# KiCad board mtt_final.kicad_pcb (continued)
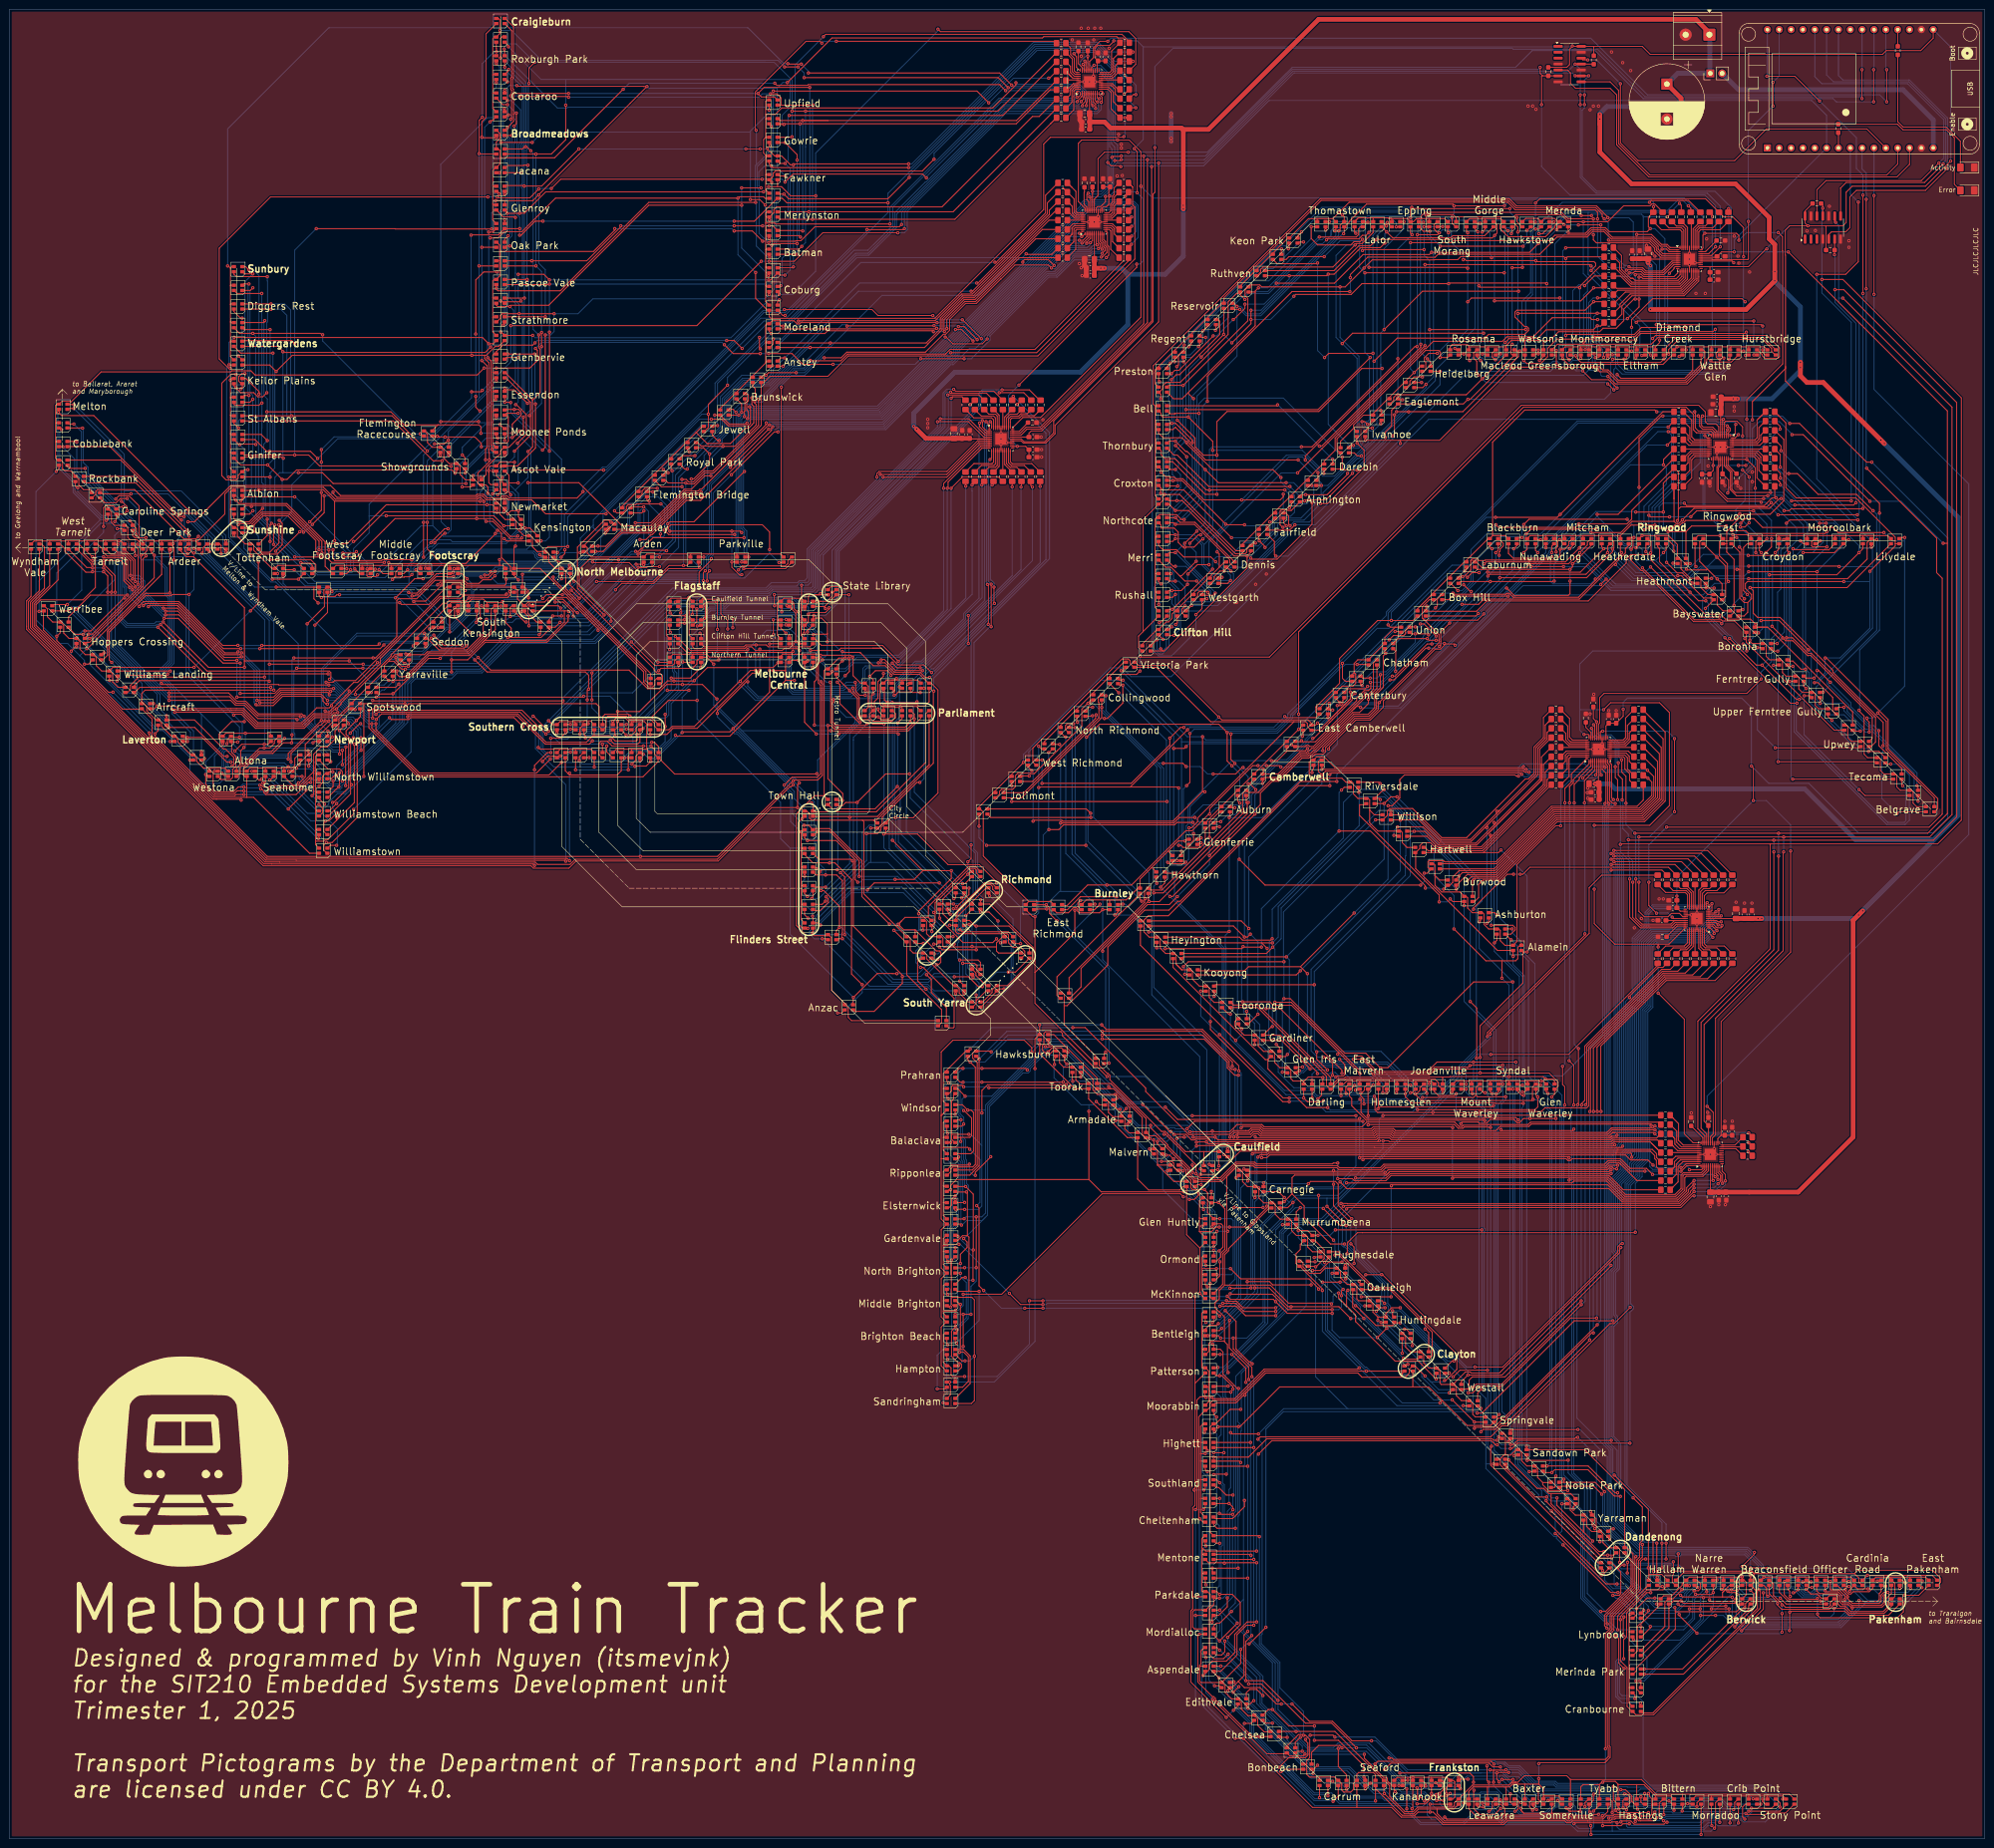
[diagram p0: board, top side]
## Routing (per net, layer and track width the routed paths; a pad name or vN(x,y) marks a point on that pad's centre or on a via; arc(x,y) is an arc through that point) (continued)
  Bottom w0.2: v1(279.51,13.98) 279.51,14.41 270.09,23.84 270.09,24.69 260.26,34.52 v1(259.33,34.52) ; v1(259.7,107.4) 265.31,107.4 268.81,110.9 268.81,131.58 272.81,135.58 273.44,135.58 274.4,136.54 ; v1(347.3,3.2) 347.4,3.2 347.8,2.8 355.3,2.8 355.3,2.8 362.35,2.8 363.37,3.82 366.38,3.82 v1(366.7,3.5) ; v1(273.36,137.54) 274.36,136.54 274.4,136.54 ; v1(280.46,15.76) 280.78,15.43 287.37,15.43 292.53,10.27 295.05,10.27 296.27,9.04 302.66,9.04 v1(302.7,9) 303.35,9 304,8.35 304,5.1 304.9,4.2 307.4,4.2 307.8,4.6 ; v1(341.55,4.95) 341.6,4.9 v1(341.6,2.8) ; v1(266.4,99.1) 266.8,98.7 v1(266.8,83.9) v1(266.8,59.9) v1(266.8,45.8) ; v1(343.4,142.68) 343.58,142.68 344,143.1 344,143.73 ; 344,143.73 343.63,144.1 343.61,144.1 ; 344,143.73 343.61,144.12 343.61,151.26 344.06,151.72 344.06,208.34 343.4,209 v1(343.4,209) ; v1(284.2,125.2) 284.2,128.1 v1(283.9,128.4) ; 274.4,136.54 275.86,138 v1(280.7,138) 284.88,138 v1(288.63,141.75)
Net-(D438-BK): length 483.7
  Top w0.2: v1(263,141.8) 263.5,142.3 ; D504.2 256.4,110.88 v1(256.53,110.75) ; D480.2 274.55,17.75 277.38,17.75 v1(277.78,18.15) ; v1(283.6,113.5) 274.1,113.5 270.8,116.8 261.7,116.8 ; v1(285.95,117.85) 285.6,117.5 v1(285.6,116.5) ; D498.2 256.4,87.4 v1(256.2,87.2) ; v1(320,5.23) 319.38,4.6 314.7,4.6 312.9,6.4 D468.2 ; v1(257.97,29.86) 269.63,18.2 273.7,18.2 ; v1(262.9,147.87) 262.93,147.9 269.15,147.9 269.55,148.3 292.7,148.3 292.72,148.28 345.59,148.28 v1(345.87,148.55) ; v1(297.11,10.1) 296.9,10.3 D474.2 296.43,11.4 295.45,12.38 295.45,12.92 295.22,13.15 294.62,13.15 290.5,17.27 v1(290.5,18.1) ; v1(256.53,38.87) 256.4,39 D486.2 ; D438.2 298.6,105.33 298.65,105.28 v1(298.65,104.15) ; v1(256.53,62.83) 256.4,62.96 D492.2 ; v1(343.99,212) 343.99,212 364.1,212 R133.2 ; 336.8,7.5 v1(336.8,5.89) 334.76,5.89 334.76,5.89 334.5,5.89 334.39,6 334.37,6 334.02,6.35 334.02,6.37 v1(333.79,6.6) ; 360.79,7.51 v1(359.8,7.51) ; v1(311.83,7.6) 312.7,7.6 ; v1(283.6,121.3) D444.2
  Bottom w0.2: v1(297.11,10.1) 297.6,9.6 303.32,9.6 305.2,7.72 305.2,7.1 305.8,6.5 310.8,6.5 311.83,7.53 v1(311.83,7.6) ; v1(256.2,87.2) 255.9,87.5 255.9,87.7 ; v1(345.87,148.55) 345.87,148.55 346.07,148.75 346.07,210.29 344.35,212 v1(343.99,212) ; 255.9,87.7 255.9,110.11 v1(256.53,110.75) 257.1,110.75 261.73,115.37 v1(261.73,116.9) 263.2,118.37 263.2,141.6 263,141.8 v1(263,141.8) 262.9,141.9 v1(262.9,147.87) ; 255.9,87.7 255.9,86.15 255.8,86.05 255.8,78.62 256.78,77.64 256.78,63.07 v1(256.53,62.83) 255.54,61.83 255.54,44.3 255.74,44.1 255.74,43.61 255.4,43.27 255.4,40 v1(256.53,38.87) 256.53,31.3 v1(257.97,29.86) ; v1(359.8,7.51) 350.82,7.51 350.58,7.75 348.81,7.75 348.32,8.25 347.48,8.25 346.99,7.75 337.79,7.75 336.8,6.76 v1(336.8,5.89) ; v1(333.79,6.6) 333.79,6.61 333.6,6.8 331.58,6.8 329.48,4.7 320.54,4.7 v1(320,5.23) ; v1(283.6,113.5) 285,113.5 285.6,114.1 v1(285.6,116.5) ; v1(290.5,18.1) 278.5,18.1 278.45,18.15 v1(277.78,18.15) ; v1(298.65,104.15) 298.57,104.23 298.29,104.23 291.01,111.5 291.01,111.86 289.69,113.19 289.69,114.11 v1(285.95,117.85) 283.4,120.39 283.4,121.1 v1(283.6,121.3)
Net-(D438-GK): length 501.9
  Top w0.2: v1(265.7,33.2) 268.42,33.2 271.96,29.66 v1(271.99,29.66) ; 313.95,8.5 313.95,6.45 315.2,5.2 318.45,5.2 v1(319.73,6.48) ; 313.95,8.5 D468.4 ; 313.95,8.5 313.95,10.33 v1(314.02,10.4) ; v1(268,64.8) 267.8,65 D492.4 ; D504.4 258.61,113 v1(259.48,112.13) ; D474.4 299.75,12.5 v1(299.8,12.55) ; v1(313.9,12.1) 313.9,13.3 313.1,14.1 v1(298.1,14.1) ; 286.42,122.42 v1(286.42,123.02) ; v1(264.69,143.66) 264.95,143.4 D450.4 ; v1(276.78,21.74) 275.7,20.65 D480.4 ; v1(260.68,113.29) 263,110.98 263,107.65 263,107.15 263,107.15 263,105.07 265.77,102.3 266.05,102.3 v1(266.46,101.88) ; 362.59,8.5 361.82,7.73 361.82,6.93 v1(361.8,6.91) ; 344.78,144.48 344.8,144.46 v1(344.8,144.46) 344.78,144.48 342.99,144.48 342.39,143.88 295.02,143.88 294.29,143.15 265.65,143.15 ; v1(283.9,140.4) 283.9,135.8 287.23,132.47 v1(287.23,132.43) ; D486.4 258.92,41 v1(259.48,40.44) ; v1(343.4,211.33) 343.47,211.4 362.7,211.4 R132.2 ; D498.4 258.65,89 261.75,92.1 v1(264,92.1) ; 338.59,8.5 337.82,7.73 337.82,6.94 337.8,6.92 v1(337.8,6.91) ; v1(288.3,123.4) 288.3,126.94 v1(287.62,127.62) ; D438.4 299.48,109.32 v1(299.12,109.32) ; 258.22,65 257.45,65.77 257.45,88.36 258.09,89
  Bottom w0.2: v1(288.3,123.4) 288.24,123.34 286.74,123.34 v1(286.42,123.02) 286.42,121.52 298.62,109.32 v1(299.12,109.32) ; v1(264,92.1) 264.13,92.23 264.13,99.83 266.18,101.88 v1(266.46,101.88) ; v1(264.69,143.66) 263.6,142.57 263.6,116.25 v1(259.48,112.13) ; v1(343.4,211.33) 343.47,211.4 344.38,211.4 345.66,210.12 345.66,149.2 345.21,148.74 345.21,148.46 344.41,147.66 344.41,144.89 344.8,144.5 v1(344.8,144.46) ; v1(313.9,12.1) 313.92,12.08 313.92,10.5 v1(314.02,10.4) ; v1(287.23,132.43) 287.27,132.43 287.6,132.1 287.6,127.64 v1(287.62,127.62) ; v1(283.9,140.4) v1(283.9,143.35) ; v1(259.48,40.44) 259.56,40.44 265.7,34.3 v1(265.7,33.2) ; v1(361.8,6.91) 359.01,6.91 358.81,7.11 350.65,7.11 350.41,7.35 348.64,7.35 348.15,7.84 347.65,7.84 347.16,7.35 338.24,7.35 v1(337.8,6.91) 337.4,6.51 337.4,5.54 337.1,5.24 336.1,5.24 335.74,5.6 335.73,5.6 335.73,6.91 335.04,7.6 331.24,7.6 329.16,5.51 324.04,5.51 323.08,6.48 319.73,6.48 v1(319.73,6.48) ; v1(268,64.8) 268,41.66 272,37.66 272,27.7 276.78,22.92 v1(276.78,21.74) 276.78,21.4 278.63,19.55 283.9,19.55 284.85,20.5 291.51,20.5 299.46,12.55 v1(299.8,12.55)
Net-(D438-RK): length 509.2
  Top w0.2: D462.1 338.7,5.85 v1(338.89,5.66) ; D480.1 276.05,18.75 v1(277.22,18.75) ; D492.1 258.72,63.38 v1(259.48,63.38) ; D498.1 258.2,87.5 v1(258.4,87.3) ; 300.71,107.3 300.79,107.23 v1(300.79,105.79) ; v1(260.6,42.4) 260.6,40.1 259.91,39.42 258.68,39.42 D486.1 ; v1(265.52,141.1) 265.4,141.22 D450.1 265.85,142.75 294.74,142.75 294.94,142.95 v1(294.94,142.95) 295.07,142.95 295.6,143.48 342.55,143.48 343.15,144.08 343.65,144.08 344.04,143.69 v1(344.6,143.69) ; v1(339.05,2.8) 339.1,2.74 v1(339.1,0.9) ; v1(286.5,120.09) 286.4,120.19 D444.1 ; 338.77,7.4 339.6,8.23 339.6,9.46 v1(339.69,9.55) ; v1(297.9,11.4) D474.1 ; v1(316.02,6.83) 315.96,6.78 314.9,6.78 314.7,6.97 D468.1 ; D504.1 258.2,110.99 v1(257.95,110.75) ; v1(294.83,14.83) 296.2,16.2 317.25,16.2 318.05,15.4 319.68,15.4 v1(319.68,15.4) ; D456.1 v1(362.7,0.9) ; R131.2 361.3,210.8 v1(344,210.8)
  Bottom w0.2: 338.89,3.8 338.89,3.8 335.08,3.8 335.07,3.8 320.5,3.8 320.5,3.8 320.41,3.8 318.21,6 318.21,6.28 317.61,6.89 316.08,6.89 v1(316.02,6.83) ; 338.89,3.8 v1(338.89,5.66) ; 338.89,3.8 338.89,2.95 v1(339.05,2.8) ; v1(297.9,11.4) 297.9,12.04 295.11,14.83 v1(294.83,14.83) 290.92,18.75 v1(277.22,18.75) 277.22,19.83 268.16,28.89 268.16,34.86 259.94,43.08 259.94,47.74 258.86,48.82 258.86,53.64 259.42,54.21 259.42,63.32 v1(259.48,63.38) 259.42,63.44 259.42,67.13 258.82,67.74 258.82,73.3 258.84,73.32 258.84,86.86 v1(258.4,87.3) 258.22,87.49 258.22,90.7 258.45,90.94 258.45,94.9 256.3,97.05 256.3,109.09 v1(257.95,110.75) 258.56,111.35 259.59,111.35 264,115.76 264,139.57 v1(265.52,141.1) ; v1(344.6,143.69) 344.6,143.69 344.01,144.29 344.01,147.83 344.81,148.63 344.81,148.91 345.26,149.36 345.26,209.95 344.42,210.8 v1(344,210.8) ; v1(300.79,105.79) 300.79,106.3 286.99,120.09 v1(286.5,120.09) 284.94,121.65 284.94,132.24 294.94,142.24 v1(294.94,142.95) ; v1(362.7,0.9) v1(339.1,0.9) ; v1(339.69,9.55) 339.6,9.65 327.2,9.65 323.55,13.3 321.5,13.3 319.68,15.12 v1(319.68,15.4)
Net-(D505-BK): length 311.3
  Top w0.2: v1(219.2,168.7) 219.2,169.7 217.6,171.3 202.3,171.3 199.79,168.79 199.79,155.14 199.97,155.33 ; 200.86,121.35 199.79,122.43 199.79,130.64 D559.2 ; v1(261.7,118.1) 266.14,118.1 v1(266.2,118.16) ; 256.32,115.9 v1(255.23,116.99) 255.23,126.73 ; 200.86,100.35 199.78,101.43 199.78,109.77 200.86,110.85 199.79,111.93 199.79,120.14 D553.2 ; D511.2 255.23,126.73 ; 255.23,126.73 252.4,129.55 D517.2 251.64,139.9 250.9,139.16 244.24,139.16 241.9,141.5 D523.2 239.7,150.4 231.4,158.7 D529.2 228.4,160.9 220.9,168.4 v1(220.9,170.4) D535.2 ; 199.78,145.9 199.83,145.85 D565.2 ; 199.78,145.9 199.78,155.13 199.97,155.33 ; 199.78,145.9 199.78,132.93 200.86,131.85 ; 199.97,155.33 D571.2 ; v1(266.5,146.9) 266.5,147.1 266.5,147.1 269.48,147.1 269.86,147.47 344.69,147.47 344.69,147.47 351.83,147.47 352.77,146.53 352.77,145.87 353.12,145.52 353.12,144.15 R137.2
  Bottom w0.2: v1(261.7,118.1) 261.4,117.8 256.04,117.8 v1(255.23,116.99) ; v1(266.5,146.9) 266.2,146.6 v1(266.2,118.16) ; v1(220.9,170.4) v1(219.2,168.7)
Net-(D505-GK): length 301
  Top w0.2: v1(206.17,112.5) v1(204.5,112.5) v1(204.5,105.6) ; 263.27,144.33 259.95,141 D517.4 ; 263.27,144.33 261,142.05 261,130.5 v1(261.2,130.3) 261,130.1 261,126.31 260.12,125.43 260.12,118.92 D505.4 ; 263.27,144.33 266.67,144.33 267.05,143.95 284.6,143.95 285,143.55 294.12,143.55 294.85,144.28 342.22,144.28 343,145.06 345.05,145.06 345.4,144.71 345.4,144.7 345.45,144.7 348.95,141.2 R136.2 ; D535.4 223.92,172.5 226.71,169.71 ; D523.4 243.7,154.49 236.19,162 D529.4 233.2,163.22 226.71,169.71 ; D541.4 203.49,101.45 v1(203.54,101.5) ; 254.17,141 252.65,142.52 252.65,143.72 247.93,148.43 247.93,148.63 245.77,150.8 244.5,150.8 243.8,151.5 ; v1(204.7,133) 204.65,132.95 D559.4 ; D571.4 204.32,157.45 v1(205.48,156.29) 206.21,156.29 206.71,155.79 206.71,147.51 206.15,146.95 D565.4 ; v1(258.9,130.3) 258.8,130.3 258.2,129.7 D511.4 ; 226.71,169.71 226.37,170.05 223.38,170.05 223.13,169.8 222.27,169.8 v1(222.13,169.93) ; v1(204.8,122.5) 204.75,122.45 D553.4 ; v1(207.3,133.4) v1(207.3,122.5) ; D547.4 v1(202.8,112.5)
  Bottom w0.2: v1(202.8,112.5) v1(204.5,112.5) ; v1(204.8,122.5) v1(207.3,122.5) 207.3,119.6 206.17,118.47 v1(206.17,112.5) ; 209.3,156.2 209.3,157.39 221.68,169.76 221.97,169.76 v1(222.13,169.93) ; 209.3,156.2 209.21,156.29 v1(205.48,156.29) ; 209.3,156.2 209.3,134.2 208.5,133.4 v1(207.3,133.4) 205.1,133.4 v1(204.7,133) ; v1(258.9,130.3) v1(261.2,130.3) ; v1(204.5,105.6) 204.3,105.4 204.3,102.35 203.54,101.59 v1(203.54,101.5)
Net-(D505-RK): length 309.2
  Top w0.2: v1(235.7,161.33) 236.09,160.94 236.09,160.9 ; D565.1 203.4,145.85 203.53,145.99 v1(203.53,146.24) ; D547.1 202.8,109.97 v1(202.84,109.93) 202.9,109.87 202.9,109.79 202,108.89 202,108.6 ; v1(255.5,140.3) 254.6,140.3 D517.1 ; 202,108.6 202,103.48 203.38,102.1 203.79,102.1 204.14,101.75 204.14,101.09 203.4,100.35 D541.1 ; 202,108.6 202,108.85 ; D571.1 202.8,155.44 v1(202.76,155.4) ; D505.1 257.75,115.9 257.45,116.2 257.45,119.09 v1(257.46,119.1) ; v1(203.9,123.4) 203.9,125.37 205.34,126.81 205.34,128.01 v1(204.6,128.75) ; D559.1 203.92,131.85 v1(204.14,131.64) ; D553.1 203.85,121.35 v1(203.9,121.3) ; 243.6,150.4 242.89,151.12 242.89,154.74 236.73,160.9 236.09,160.9 ; v1(284.8,144.95) 283.85,144.95 283.65,144.75 267.38,144.75 267.01,145.13 262.94,145.13 259.62,141.8 255.25,141.8 v1(254.42,142.63) 254.42,144.56 247.86,151.12 v1(247.58,151.12) ; D523.1 244.32,150.4 v1(244.51,150.2) ; R135.2 346.03,139.2 342.95,142.28 296.25,142.28 295.12,141.15 288.38,141.15 287.93,141.6 v1(284.8,141.6) ; v1(258.2,127.03) D511.1 ; 236.09,160.9 D529.1 ; D535.1 222.7,170.59 v1(222.88,170.4)
  Bottom w0.2: 209.3,133.31 209.7,133.72 209.7,157.22 221.81,169.32 222.38,169.32 222.88,169.83 v1(222.88,170.4) 226.63,170.4 v1(235.7,161.33) ; 209.3,133.31 208.58,132.6 205.2,132.6 204.24,131.64 v1(204.14,131.64) 204.02,131.75 204.02,145.12 203.53,145.61 v1(203.53,146.24) 203.37,146.4 203.37,154.79 v1(202.76,155.4) ; 209.3,133.31 204.73,128.75 v1(204.6,128.75) ; v1(284.8,141.6) v1(284.8,144.95) ; v1(257.46,119.1) 257.46,124.5 258.78,125.82 258.78,126.45 258.2,127.03 v1(258.2,127.03) 258.2,130.6 258.5,130.9 258.5,134.48 255.62,137.36 255.62,141.43 254.43,142.63 v1(254.42,142.63) ; v1(247.58,151.12) 245.44,151.12 v1(244.51,150.2) ; v1(203.9,123.4) v1(203.9,121.3) 203.9,120.57 205.17,119.3 205.17,111.74 203.37,109.93 v1(202.84,109.93)
Net-(D506-BK): length 295.5
  Top w0.2: D560.2 201.45,135.35 202.05,135.95 202.05,137.2 202.75,137.9 v1(202.8,137.9) ; v1(227.2,161.1) v1(210,161.1) ; v1(201.79,114.07) 201.28,114.07 D548.2 ; v1(228,162.5) 227.9,162.6 D530.2 ; D554.2 201,123.92 201.13,123.79 v1(201.23,123.79) ; v1(201.16,102.83) 201,103 D542.2 ; v1(268.8,135.4) v1(262.6,135.4) ; v1(294.5,149.7) 295.7,149.7 295.9,149.5 343.41,149.5 343.79,149.88 353.39,149.88 R140.2 ; D512.2 255.9,131.4 v1(255.75,131.4) ; v1(201.28,158.76) 201,159.04 D572.2 201.45,159.85 202,160.4 202,161.32 202.28,161.6 204.3,161.6 v1(204.6,161.3) ; D566.2 201.81,149.35 v1(201.83,149.37) ; v1(237.15,154.05) 238.25,154.05 ; v1(200.2,93.5) 200.85,93.5 ; D506.2 256.4,118.85 v1(256.85,118.4) ; v1(248.26,143.26) 248.4,143.4 D518.2
  Bottom w0.2: v1(294.5,149.7) 294.5,148.1 288.75,142.35 287.5,142.35 286.07,140.92 286.07,140.63 285.23,139.8 270.6,139.8 268.8,138 v1(268.8,135.4) ; v1(248.26,143.26) 248.22,143.3 247.28,143.3 ; v1(210,161.1) 209.8,161.3 v1(204.6,161.3) ; v1(201.28,158.76) 201.92,158.12 201.92,149.46 v1(201.83,149.37) 201.83,146.56 203.62,144.77 203.62,138.8 202.2,137.38 202.2,131.7 201.56,131.06 201.56,124.57 201.22,124.23 201.22,123.79 v1(201.23,123.79) 201.23,123.7 201.03,123.51 201.03,118.57 201.8,117.8 201.8,114.33 202.05,114.08 202.05,103.72 v1(201.16,102.83) 200.99,102.66 200.99,95.56 200.2,94.77 v1(200.2,93.5) ; v1(262.6,135.4) 262.6,135.1 262.8,134.9 262.8,120.05 260.95,118.2 257.4,118.2 257.2,118.4 v1(256.85,118.4) 256.85,121.85 255.75,122.95 v1(255.75,131.4) 255.13,131.4 247.28,139.26 247.28,143.3 ; 247.28,143.3 247.28,143.71 237.15,153.83 v1(237.15,154.05) 237.1,154.11 237.1,156.03 230.62,162.52 228.91,162.52 228.9,162.5 v1(228,162.5) 228,161.9 v1(227.2,161.1)
Net-(D506-GK): length 320.7
  Top w0.2: v1(202.8,137.1) D560.4 204.75,136.45 v1(204.8,136.5) ; D566.4 204,150.45 ; 204,150.45 205.95,150.45 206.31,150.81 206.31,154.59 204.7,156.2 v1(204.6,156.2) ; 204,150.45 203.97,150.42 v1(203.97,149.58) ; D506.4 v1(258.9,121) ; D536.4 206,97.65 206,103.55 204.6,104.95 203.9,104.95 ; 203.9,104.95 v1(203.9,114.62) 203.7,114.62 202.87,115.45 ; 203.9,104.95 D542.4 ; v1(259.5,133) D512.4 256.89,134.31 256.89,138.57 v1(256.22,139.25) 253.68,139.25 253.3,139.63 253.3,141.3 252.24,142.36 252.24,143.5 251.87,143.87 251.87,143.87 251.24,144.5 D518.4 ; 352.88,148.39 R139.2 ; 352.88,148.39 352.07,149.2 ; 352.88,148.39 R139.2 ; R139.2 351.79,149.48 343.96,149.48 343.6,149.13 343.6,149.1 268.65,149.1 268.65,149.1 257.03,149.1 v1(256.65,149.48) 254.58,149.48 v1(254.5,149.4) ; D524.4 240.2,156.86 237.4,159.66 v1(237.1,159.66) 233.27,159.66 232.33,160.6 232.33,163.01 229.83,165.5 ; D572.4 203.25,160.95 v1(204.92,159.28) ; D554.4 v1(202.8,126.8)
  Bottom w0.2: v1(259.5,133) 262,133 262.4,132.6 262.4,121.4 262,121 v1(258.9,121) ; v1(204.6,156.2) 204.25,156.55 204.25,158.61 v1(204.92,159.28) 210.63,159.28 218.6,167.25 218.6,168.95 220.67,171.02 226.93,171.02 237.72,160.22 ; 237.72,160.22 237.67,160.22 v1(237.1,159.66) ; 237.72,160.22 239.85,158.1 248.3,158.1 254.5,151.9 v1(254.5,149.4) ; 202.41,127.19 v1(202.8,126.8) 202.36,127.24 ; v1(204.8,136.5) 204.42,136.88 204.42,145.28 204.13,145.58 204.13,149.41 v1(203.97,149.58) ; 202.36,127.24 202.36,130.73 203.47,131.84 203.47,136.43 v1(202.8,137.1) ; 202.36,127.24 202.36,124.57 203.3,123.63 203.3,121.3 203.3,121.3 203.3,115.23 v1(203.9,114.62) ; v1(256.22,139.25) 257.1,140.13 257.1,143.96 256.65,144.4 v1(256.65,149.48)
Net-(D506-RK): length 302.2
  Top w0.2: 202.03,116.14 206.36,116.14 206.9,115.6 v1(206.9,103.5) 206.9,94 206.25,93.35 D536.1 ; v1(208.51,155.69) 208.51,160.51 209.74,161.74 226.54,161.74 v1(226.6,161.8) ; v1(229.7,163.38) D530.1 ; v1(204.9,102.5) 204.2,102.5 202.85,103.85 ; v1(259.38,126.1) 260.2,126.92 260.2,131.5 259.8,131.9 D512.1 257.9,131.6 v1(257.9,131.3) ; v1(204.8,135) 204.77,135.03 v1(202.87,135.03) 202.87,135.27 ; D554.1 202.03,124.08 202,124.08 v1(201.96,124.12) 201.96,114.74 202.35,114.35 D548.1 ; D506.1 258.65,119.9 259.52,120.77 v1(259.52,123.75) ; v1(247,145.3) 249.27,145.3 249.65,144.92 249.65,144 250.25,143.4 D518.1 251.4,143.4 251.55,143.25 v1(251.64,143.25) ; v1(239.75,153.3) 240.42,153.97 ; 202,151.1 202,158.22 202.43,158.65 202.43,159.49 D572.1 ; 202,151.1 v1(205.7,151.1) ; 202,151.1 202,150.05 202.7,149.35 ; v1(255.4,142.5) 258.91,142.5 263.9,147.5 269.32,147.5 269.69,147.87 344.86,147.87 344.86,147.87 352.23,147.87 353.17,146.93 353.17,146.1 R138.2
  Bottom w0.2: 208.5,148.7 206.1,151.1 v1(205.7,151.1) ; 208.5,148.7 208.5,135.7 207.8,135 v1(204.8,135) ; 208.5,148.7 208.5,155.68 v1(208.51,155.69) ; v1(257.9,131.3) 257.9,134.51 251.64,140.77 v1(251.64,143.25) 251.9,143.51 254.39,143.51 v1(255.4,142.5) ; v1(201.96,124.12) 201.96,130.9 203.07,132 203.07,134.83 v1(202.87,135.03) ; v1(247,145.3) 246.25,145.3 239.75,151.8 v1(239.75,153.3) 239.75,153.95 230.32,163.38 v1(229.7,163.38) 228.03,163.38 226.6,161.95 v1(226.6,161.8) ; v1(204.9,102.5) 205.9,102.5 v1(206.9,103.5) ; v1(259.38,126.1) 259.5,125.98 259.5,123.78 v1(259.52,123.75)
Net-(D507-BK): length 317.7
  Top w0.2: v1(294.5,155.12) 294.58,155.2 316.2,155.2 316.2,155.2 354.07,155.2 ; D573.2 201,162.54 v1(201.39,162.15) ; v1(231.45,156.06) 231.45,141.41 ; 231.45,141.41 203.09,141.41 201.8,140.12 v1(201.8,139.2) 201.46,139.2 201.11,138.85 ; 231.45,141.41 234.1,138.75 v1(251.8,138.75) ; v1(244.45,147.95) 244.62,147.78 244.62,147.6 245.32,146.9 ; v1(200.85,127.8) 201,127.95 D555.2 ; D513.2 255.9,135.08 v1(256.02,134.96) ; D567.2 201,151.47 v1(201.16,151.3) ; v1(256.52,123.02) 256.4,123.14 D507.2 ; v1(249.67,151.1) 252.25,151.1 253.45,149.9 254.12,149.9 254.3,150.08 257,150.08 257.58,149.5 293.45,149.5 v1(293.68,149.72) ; v1(233.04,158.14) 233.73,157.45 234.85,157.45 ; D537.2 200.64,96.49 v1(198.93,96.49) ; v1(201.16,105.93) 201,106.09 D543.2 ; v1(224.06,166.09) 224.06,167.26 224.4,167.59 D531.2 ; D549.2 201,116.89 v1(201.18,116.71)
  Bottom w0.2: 231.45,157.45 232.35,157.45 v1(233.04,158.14) ; 231.45,157.45 229.77,157.45 223.98,163.24 223.98,166 v1(224.06,166.09) ; 231.45,157.45 v1(231.45,156.06) ; 247.75,145.55 248.86,144.44 248.86,142.12 252.69,138.29 ; 247.75,145.55 249.6,147.4 249.6,151.03 v1(249.67,151.1) ; 247.75,145.55 245.35,147.95 v1(244.45,147.95) ; 200.6,116.71 200.33,116.45 200.33,106.75 v1(201.16,105.93) 198.93,103.69 v1(198.93,96.49) ; 200.6,116.71 200.6,127.55 v1(200.85,127.8) 201.16,128.11 201.16,131.23 201.8,131.87 v1(201.8,139.2) 201.8,144.96 201.16,145.6 v1(201.16,151.3) 200.64,151.83 200.64,161.4 v1(201.39,162.15) ; 200.6,116.71 v1(201.18,116.71) ; v1(293.68,149.72) 293.68,154.3 v1(294.5,155.12) ; 252.69,138.29 252.22,138.75 v1(251.8,138.75) ; 252.69,138.29 v1(256.02,134.96) 256.4,134.58 256.4,131.2 256.15,130.95 256.15,123.39 v1(256.52,123.02)
Net-(D507-GK): length 299.8
  Top w0.2: v1(203.37,129.22) 203.03,129.22 ; v1(226.89,168.69) 226.65,168.69 226.34,169 ; v1(237.4,158.81) 237.1,158.5 D525.4 ; v1(246.12,149.59) 246.12,149.08 D519.4 ; v1(204.93,120.39) 204.24,120.39 D549.4 ; D573.4 203.61,165.26 v1(204.46,165.26) ; v1(258.18,126.2) 258.2,126.18 D507.4 ; D561.4 203.56,139.95 203.61,139.9 v1(205.02,139.9) 206.66,138.26 v1(206.66,126.3) 206.6,126.24 v1(206.6,119.8) ; v1(243,157.5) 243,157.5 248.8,151.7 v1(249,151.7) ; v1(253.11,151.66) 261.67,151.66 263.22,153.21 268.53,153.21 269.03,152.71 289.99,152.71 291,153.72 309.88,153.72 310.8,152.8 311.45,152.8 311.71,153.06 316.83,153.06 316.97,153.2 325.62,153.2 326.12,153.7 353.57,153.7 R142.2 ; v1(202.8,98.55) D537.4 ; D531.4 225.55,169.65 223.55,169.65 223.1,169.2 223.1,169.2 v1(222.7,168.8) ; v1(208.51,165.26) 217.9,165.26 v1(218.24,164.92) ; D543.4 203.16,108.81 v1(203.16,109.2) ; v1(257.7,138.85) 257.7,138.84 D513.4 ; v1(204.02,154.2) 203.05,154.2
  Bottom w0.2: 253.11,151.66 v1(253.11,151.66) 253.07,151.7 251.1,151.7 ; v1(226.89,168.69) 227.17,168.69 237.05,158.81 v1(237.4,158.81) 238.57,158.81 239.68,157.7 242.8,157.7 243,157.5 v1(243,157.5) ; v1(246.12,149.59) 248.19,149.59 249,150.4 v1(249,151.7) 251.1,151.7 ; 205.57,119.75 v1(204.93,120.39) ; 205.57,119.75 205.57,111.57 203.2,109.2 v1(203.16,109.2) 202.73,109.2 202.45,108.92 202.45,99.44 202.8,99.09 v1(202.8,98.55) ; 205.57,119.75 205.62,119.8 v1(206.6,119.8) ; 251.1,151.7 251.04,151.64 251.04,140.8 256.8,135.04 256.8,131.8 256.8,131.03 256.55,130.78 256.55,127.83 258.17,126.2 v1(258.18,126.2) ; v1(257.92,151.8) 257.92,139.06 v1(257.7,138.85) ; v1(206.66,126.3) 206.64,126.32 206.18,126.32 203.37,129.13 v1(203.37,129.22) ; v1(218.24,164.92) 218.24,165.2 221.85,168.8 v1(222.7,168.8) ; 208.3,165.26 v1(204.46,165.26) 203.42,164.22 203.42,155.38 204.02,154.78 v1(204.02,154.2) 203.96,154.13 203.96,150.43 204.6,149.79 204.6,145.68 204.83,145.45 204.83,140.1 v1(205.02,139.9) ; 208.3,165.26 v1(208.51,165.26) ; 208.3,165.26 208.44,165.26
Net-(D507-RK): length 305.5
  Top w0.2: 203.35,128.35 D555.1 203.35,128.35 204.35,129.35 205.35,129.35 205.4,129.4 ; 257.78,136.48 v1(259.23,136.48) 260.6,135.12 260.6,126.47 259.72,125.59 259.72,124.8 258.82,123.9 D507.1 ; D519.1 247.46,146.64 v1(247.97,146.64) 248.76,146.64 v1(249.6,145.8) ; D573.1 203.86,162.29 v1(204.48,162.29) ; v1(225.95,162.35) 225.91,162.3 v1(208.51,162.3) ; 205.6,117.42 v1(207.91,117.42) ; 205.6,117.42 203.23,117.42 D549.1 ; 205.6,117.42 205.74,117.56 205.74,129.06 205.4,129.4 ; v1(226.73,166.18) 226.2,166.71 D531.1 ; v1(251.9,150.5) 250.6,150.5 v1(250.3,150.2) ; D537.1 204.35,96.85 205.6,98.1 205.6,103.38 204.58,104.4 203.75,104.4 v1(203.7,104.35) ; v1(203.06,106.33) 202.8,106.59 D543.1 ; v1(238.14,156.46) 237.64,156.46 D525.1 ; 205.4,129.4 205.4,138.54 v1(205.2,138.74) 202.91,138.74 ; D567.1 204.14,152.85 v1(204.59,153.3) ; R141.2 353.17,150.3 343.65,150.3 343.25,149.9 296.35,149.9 295.92,150.33 293.43,150.33 293,149.9 259.11,149.9 v1(258.52,150.5) v1(253.8,150.5)
  Bottom w0.2: 242.2,152.4 242.2,151.66 247.23,146.64 v1(247.97,146.64) ; 242.2,152.4 v1(238.14,156.46) 230.65,163.95 230.65,163.95 228.42,166.18 v1(226.73,166.18) 225.95,165.4 v1(225.95,162.35) ; 242.2,152.4 245,152.4 245.6,153 252.7,153 253.8,151.9 v1(253.8,150.5) v1(251.9,150.5) ; 203.66,106.94 v1(203.06,106.33) ; 203.66,106.94 207.91,111.18 v1(207.91,117.42) ; 203.66,106.94 203.7,106.9 v1(203.7,104.35) ; v1(258.52,150.5) 258.45,150.43 258.45,137.27 v1(259.23,136.48) ; v1(249.6,145.8) 250.3,146.5 v1(250.3,150.2) ; v1(208.51,162.3) 206.38,162.3 206.37,162.29 v1(204.48,162.29) 203.85,161.66 203.85,155.52 204.62,154.74 204.62,153.34 v1(204.59,153.3) 204.36,153.07 204.36,150.6 205,149.96 205,145.84 205.23,145.62 205.23,140.55 205.63,140.15 205.63,139.33 205,138.7
Net-(D508-A): length 35.2
  Top w0.2: R147.2 404.88,368.32 406,367.2 415.27,367.2 418.3,364.17 D508.2
Net-(D509-A): length 37.9
  Top w0.2: R148.2 404.8,367.81 406,366.61 415.29,366.61 417,364.9 417,354.91 D509.2
Net-(D514-BK): length 222.1
  Top w0.2: 343.71,151.5 344.1,151.5 ; 343.71,151.5 344.1,151.5 ; 343.71,151.5 342.92,150.71 296.68,150.71 296.26,151.13 293.1,151.13 292.67,150.71 268.2,150.71 267.7,151.2 266.8,151.2 266.1,150.5 263.3,150.5 v1(263.3,150.5) ; 344.1,151.5 352.5,151.5 v1(352.8,151.2) ; v1(234.3,171.6) 234.4,171.5 256.2,171.5 261.12,166.57 261.12,165.36 262.68,163.8 v1(263.5,163.8) ; 201.11,142.35 201.88,143.12 201.88,143.75 202.23,144.1 203.32,144.1 203.32,144.1 206.55,144.1 207.11,144.66 207.11,165.49 v1(206,166.6) 205.5,167.1 D514.2 ; R146.2 v1(372.83,147.33)
  Bottom w0.2: v1(206,166.6) 209.15,166.6 214.05,171.5 234.2,171.5 v1(234.3,171.6) ; v1(263.5,163.8) 263.3,163.6 v1(263.3,150.5) ; v1(372.83,147.33) 372.7,147.47 372.7,147.5 369.5,150.7 353.3,150.7 v1(352.8,151.2)
Net-(D514-GK): length 219.7
  Top w0.2: v1(262.5,150.5) 262.5,150.55 263.05,151.1 263.4,151.1 263.4,151.1 266.13,151.1 266.63,151.6 267.87,151.6 268.37,151.11 292.51,151.11 292.93,151.53 296.42,151.53 296.85,151.11 342.71,151.11 343.65,152.05 v1(352.82,152.05) ; 206.95,168.95 206.55,168.55 206.55,167.43 207.51,166.47 207.51,144.5 206.46,143.45 D515.4 ; v1(210.5,168.8) 210.35,168.95 D514.4 ; R145.2 v1(372.88,149.28) ; v1(262.8,165.03) 262.02,165.03 261.53,165.53 261.53,166.74 255.87,172.4 v1(234.3,172.4)
  Bottom w0.2: v1(262.5,150.5) 262.5,152.4 262.8,152.7 v1(262.8,165.03) ; v1(352.82,152.05) 353.77,151.1 371.07,151.1 v1(372.88,149.28) ; v1(210.5,168.8) 214.1,172.4 v1(234.3,172.4)
Net-(D514-RK): length 220.5
  Top w0.2: v1(262.2,165.7) 262.2,166.63 255.63,173.2 v1(234.3,173.2) ; v1(372.9,151.4) 373.67,150.63 ; 343.7,152.45 343.48,152.45 342.54,151.51 297.01,151.51 296.59,151.93 292.76,151.93 292.34,151.51 268.53,151.51 268.04,152 266.4,152 265.9,151.5 263.5,151.5 263.5,151.5 262.65,151.5 261.7,150.55 v1(261.7,150.5) ; 343.7,152.45 352.35,152.45 v1(352.8,152.9) ; 343.7,152.45 343.45,152.45 ; D514.1 v1(207.91,167.24) 207.91,144.33 205.93,142.35 D515.1
  Bottom w0.2: v1(372.9,151.4) 372.8,151.5 354.3,151.5 352.9,152.9 v1(352.8,152.9) ; v1(261.7,150.5) 261.7,165.2 v1(262.2,165.7) ; v1(207.91,167.24) 213.87,173.2 v1(234.3,173.2)
